# Altium PCB SupBigBrrg_0.PcbDoc (part 13 of 29)
Units mm, origin at the board's own origin, x right, y up, seen from the top; angles counter-clockwise.
Board outline 400 x 344 mm, 6 copper layers (TopLayer, PlaneGnd, PlanePwr, MidLayer3, MidLayer4, BottomLayer); 1288 components, 1323 nets, 5024 pads, 1078 vias.
Unrouted connection lines stored in the file: 1824.
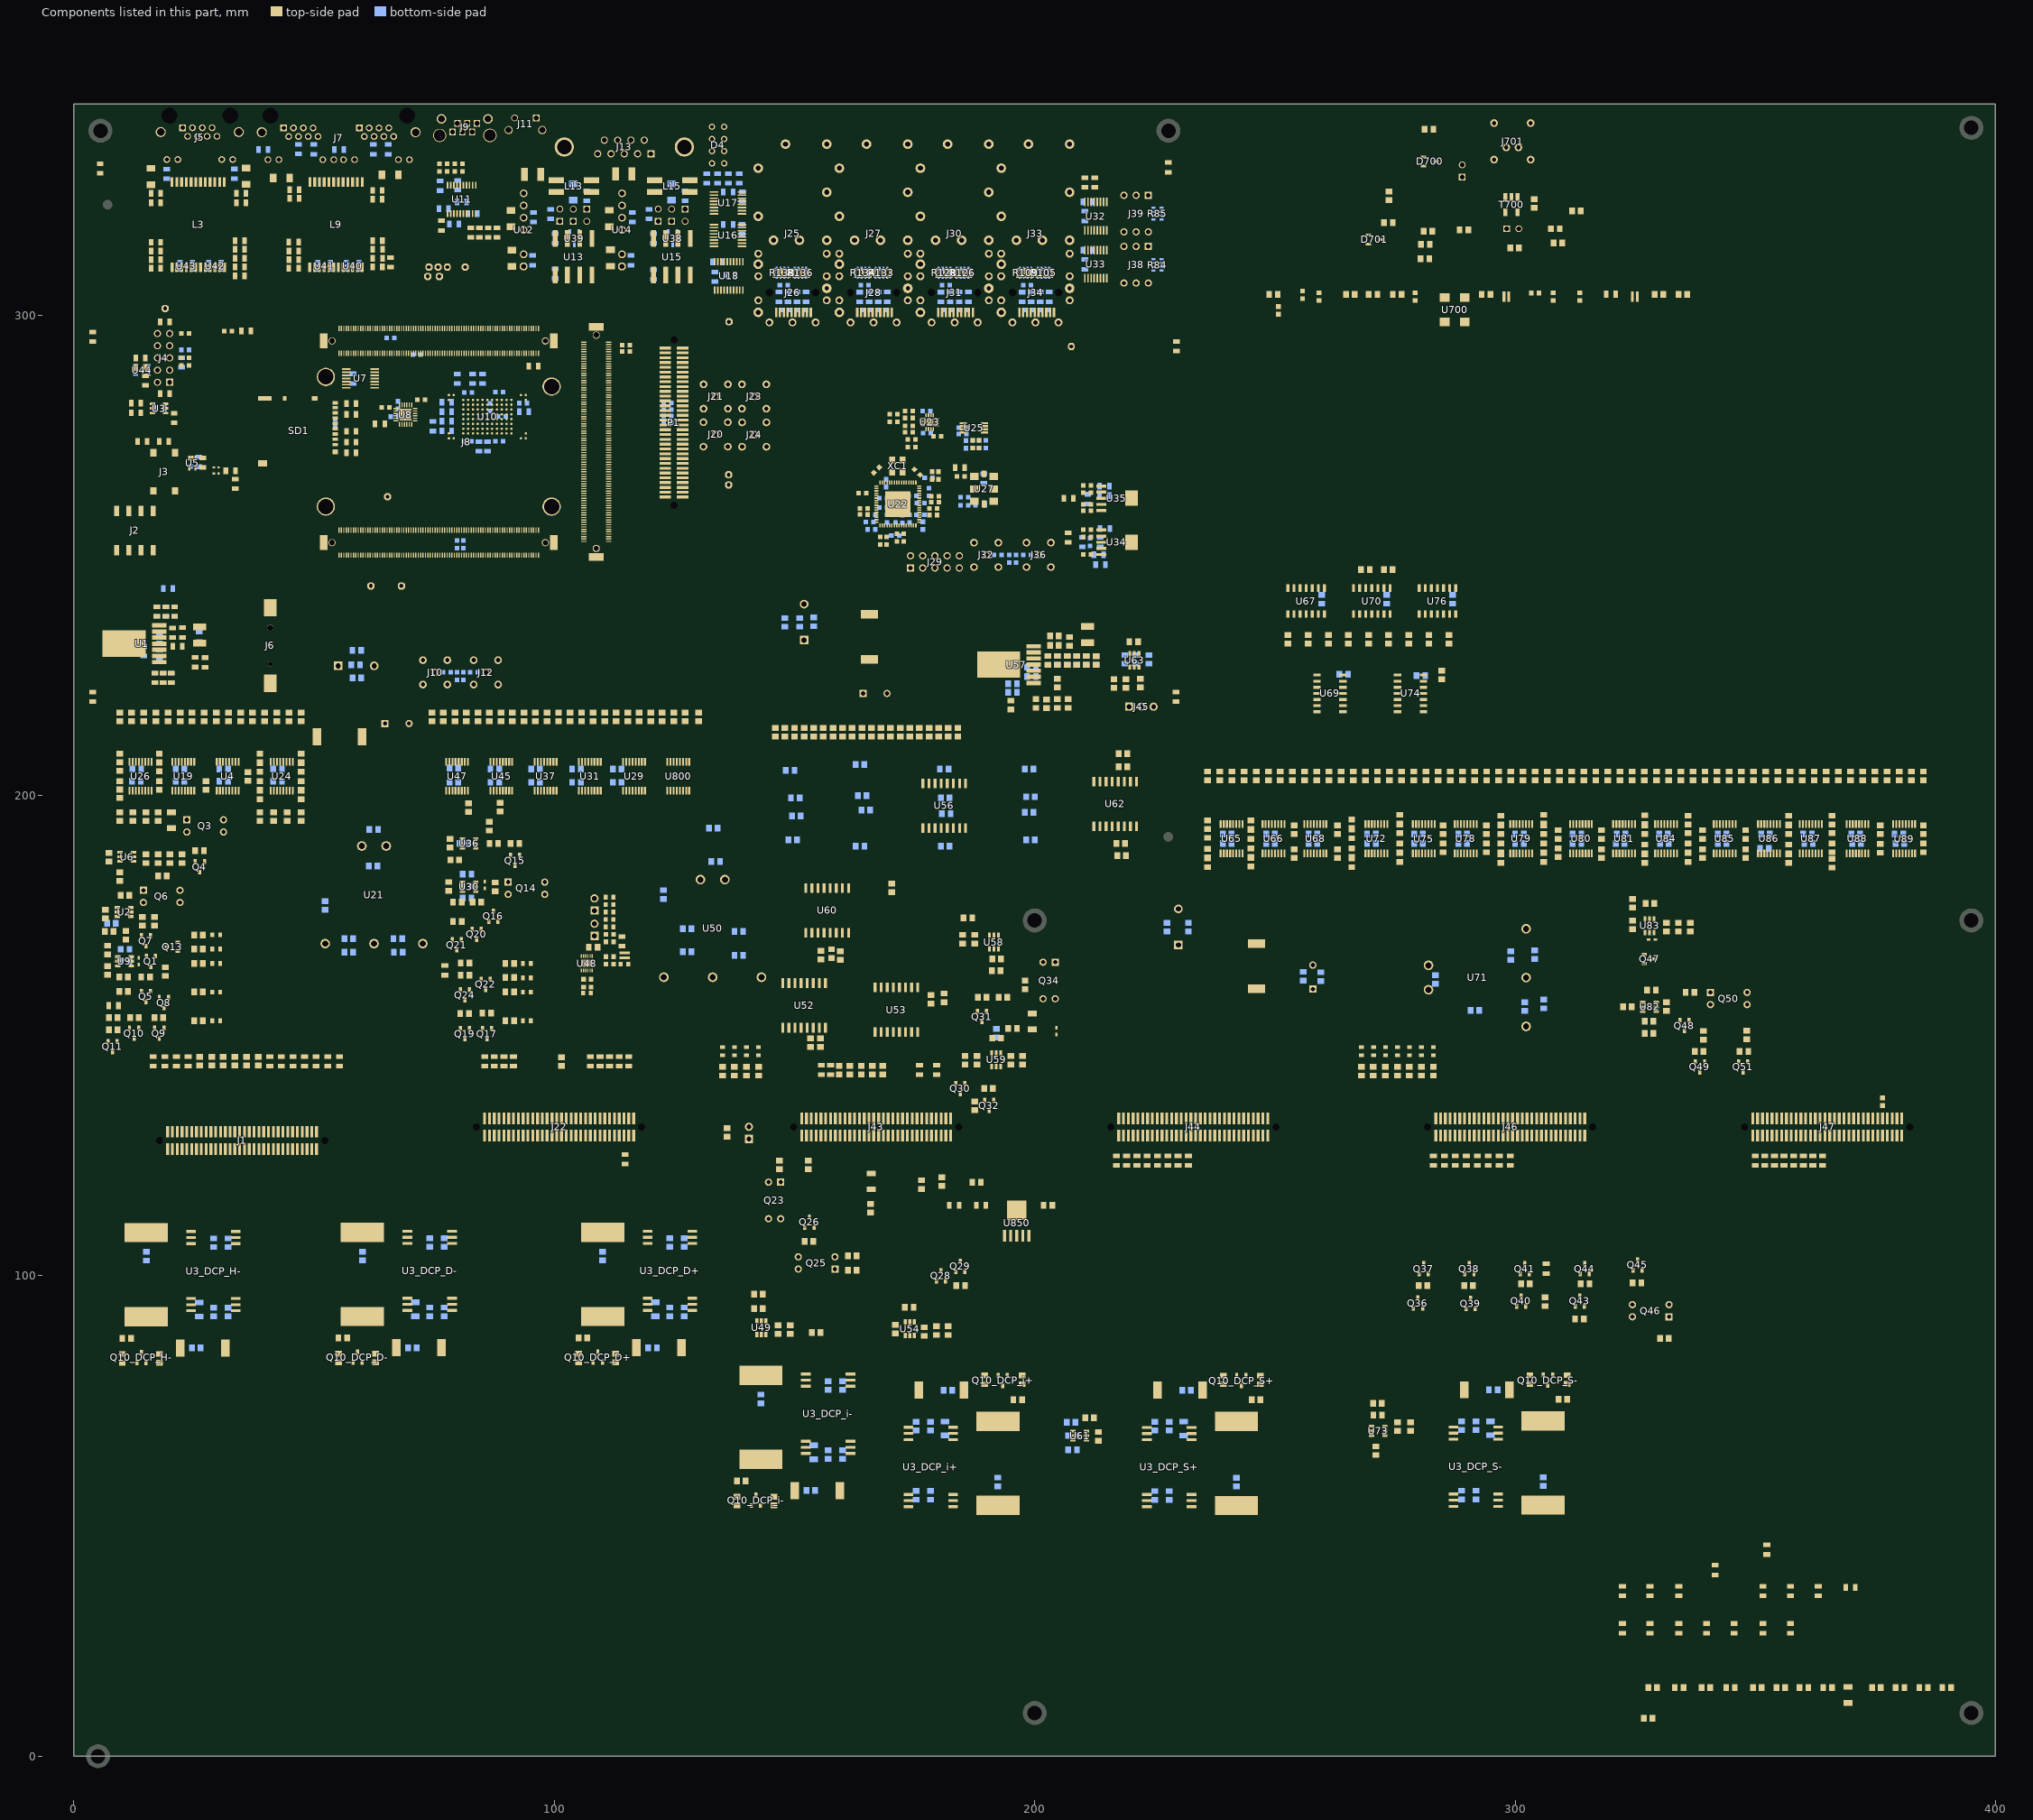
[diagram p17: the components of this part, seen from the top]

## Design rules (kind name [scope] priority, off if disabled: settings) (continued)
DiffPairsRouting "Schematic Differential Pairs Routing_935" [InNet('ETH0_D_N')] p1063: maxlimit=0.5 minlimit=0.075 mostfreqgap=0.254 toplayer_prefgap=0.175 toplayer_minwidth=0.075 toplayer_maxwidth=0.5 toplayer_prefwidth=0.25 midlayer3_maxgap=0.254 midlayer3_minwidth=0.075 midlayer3_maxwidth=0.5 midlayer3_prefwidth=0.25 midlayer4_maxgap=0.254 midlayer4_minwidth=0.075 midlayer4_maxwidth=0.5 midlayer4_prefwidth=0.25 bottomlayer_prefgap=0.175 bottomlayer_minwidth=0.075 bottomlayer_maxwidth=0.5 bottomlayer_prefwidth=0.25 maxuncoupledlength=12.7
DiffPairsRouting "Schematic Differential Pairs Routing_895" [InNet('ETH0_D_P')] p1064: maxlimit=0.5 minlimit=0.075 mostfreqgap=0.254 toplayer_prefgap=0.175 toplayer_minwidth=0.075 toplayer_maxwidth=0.5 toplayer_prefwidth=0.25 midlayer3_maxgap=0.254 midlayer3_minwidth=0.075 midlayer3_maxwidth=0.5 midlayer3_prefwidth=0.25 midlayer4_maxgap=0.254 midlayer4_minwidth=0.075 midlayer4_maxwidth=0.5 midlayer4_prefwidth=0.25 bottomlayer_prefgap=0.175 bottomlayer_minwidth=0.075 bottomlayer_maxwidth=0.5 bottomlayer_prefwidth=0.25 maxuncoupledlength=12.7
DiffPairsRouting "Schematic Differential Pairs Routing_880" [InNet('ETH1A_TX_P')] p1065: maxlimit=0.5 minlimit=0.075 mostfreqgap=0.254 toplayer_prefgap=0.175 toplayer_minwidth=0.075 toplayer_maxwidth=0.5 toplayer_prefwidth=0.25 midlayer3_maxgap=0.254 midlayer3_minwidth=0.075 midlayer3_maxwidth=0.5 midlayer3_prefwidth=0.25 midlayer4_maxgap=0.254 midlayer4_minwidth=0.075 midlayer4_maxwidth=0.5 midlayer4_prefwidth=0.25 bottomlayer_prefgap=0.175 bottomlayer_minwidth=0.075 bottomlayer_maxwidth=0.5 bottomlayer_prefwidth=0.25 maxuncoupledlength=12.7
DiffPairsRouting "Schematic Differential Pairs Routing_783" [InNet('ETH1A_RX_N')] p1066: maxlimit=0.5 minlimit=0.075 mostfreqgap=0.254 toplayer_prefgap=0.175 toplayer_minwidth=0.075 toplayer_maxwidth=0.5 toplayer_prefwidth=0.25 midlayer3_maxgap=0.254 midlayer3_minwidth=0.075 midlayer3_maxwidth=0.5 midlayer3_prefwidth=0.25 midlayer4_maxgap=0.254 midlayer4_minwidth=0.075 midlayer4_maxwidth=0.5 midlayer4_prefwidth=0.25 bottomlayer_prefgap=0.175 bottomlayer_minwidth=0.075 bottomlayer_maxwidth=0.5 bottomlayer_prefwidth=0.25 maxuncoupledlength=12.7
DiffPairsRouting "Schematic Differential Pairs Routing_702" [InNet('ETH1A_RX_P')] p1067: maxlimit=0.5 minlimit=0.075 mostfreqgap=0.254 toplayer_prefgap=0.175 toplayer_minwidth=0.075 toplayer_maxwidth=0.5 toplayer_prefwidth=0.25 midlayer3_maxgap=0.254 midlayer3_minwidth=0.075 midlayer3_maxwidth=0.5 midlayer3_prefwidth=0.25 midlayer4_maxgap=0.254 midlayer4_minwidth=0.075 midlayer4_maxwidth=0.5 midlayer4_prefwidth=0.25 bottomlayer_prefgap=0.175 bottomlayer_minwidth=0.075 bottomlayer_maxwidth=0.5 bottomlayer_prefwidth=0.25 maxuncoupledlength=12.7
DiffPairsRouting "Schematic Differential Pairs Routing_697" [InNet('ETH1B_TX_N')] p1068: maxlimit=0.5 minlimit=0.075 mostfreqgap=0.254 toplayer_prefgap=0.175 toplayer_minwidth=0.075 toplayer_maxwidth=0.5 toplayer_prefwidth=0.25 midlayer3_maxgap=0.254 midlayer3_minwidth=0.075 midlayer3_maxwidth=0.5 midlayer3_prefwidth=0.25 midlayer4_maxgap=0.254 midlayer4_minwidth=0.075 midlayer4_maxwidth=0.5 midlayer4_prefwidth=0.25 bottomlayer_prefgap=0.175 bottomlayer_minwidth=0.075 bottomlayer_maxwidth=0.5 bottomlayer_prefwidth=0.25 maxuncoupledlength=12.7
DiffPairsRouting "Schematic Differential Pairs Routing_234" [InNet('SFP_TX_2.IO_P')] p1069: maxlimit=0.5 minlimit=0.075 mostfreqgap=0.254 toplayer_prefgap=0.175 toplayer_minwidth=0.075 toplayer_maxwidth=0.5 toplayer_prefwidth=0.25 midlayer3_maxgap=0.254 midlayer3_minwidth=0.075 midlayer3_maxwidth=0.5 midlayer3_prefwidth=0.25 midlayer4_maxgap=0.254 midlayer4_minwidth=0.075 midlayer4_maxwidth=0.5 midlayer4_prefwidth=0.25 bottomlayer_prefgap=0.175 bottomlayer_minwidth=0.075 bottomlayer_maxwidth=0.5 bottomlayer_prefwidth=0.25 maxuncoupledlength=12.7
DiffPairsRouting "Schematic Differential Pairs Routing_185" [InNet('SFP_TX_3.IO_N')] p1070: maxlimit=0.5 minlimit=0.075 mostfreqgap=0.254 toplayer_prefgap=0.175 toplayer_minwidth=0.075 toplayer_maxwidth=0.5 toplayer_prefwidth=0.25 midlayer3_maxgap=0.254 midlayer3_minwidth=0.075 midlayer3_maxwidth=0.5 midlayer3_prefwidth=0.25 midlayer4_maxgap=0.254 midlayer4_minwidth=0.075 midlayer4_maxwidth=0.5 midlayer4_prefwidth=0.25 bottomlayer_prefgap=0.175 bottomlayer_minwidth=0.075 bottomlayer_maxwidth=0.5 bottomlayer_prefwidth=0.25 maxuncoupledlength=12.7
DiffPairsRouting "Schematic Differential Pairs Routing_116" [InNet('SFP_TX_3.IO_P')] p1071: maxlimit=0.5 minlimit=0.075 mostfreqgap=0.254 toplayer_prefgap=0.175 toplayer_minwidth=0.075 toplayer_maxwidth=0.5 toplayer_prefwidth=0.25 midlayer3_maxgap=0.254 midlayer3_minwidth=0.075 midlayer3_maxwidth=0.5 midlayer3_prefwidth=0.25 midlayer4_maxgap=0.254 midlayer4_minwidth=0.075 midlayer4_maxwidth=0.5 midlayer4_prefwidth=0.25 bottomlayer_prefgap=0.175 bottomlayer_minwidth=0.075 bottomlayer_maxwidth=0.5 bottomlayer_prefwidth=0.25 maxuncoupledlength=12.7
DiffPairsRouting "Schematic Differential Pairs Routing_954" [InNet('ETH0_A_P')] p1072: maxlimit=0.5 minlimit=0.075 mostfreqgap=0.254 toplayer_prefgap=0.175 toplayer_minwidth=0.075 toplayer_maxwidth=0.5 toplayer_prefwidth=0.25 midlayer3_maxgap=0.254 midlayer3_minwidth=0.075 midlayer3_maxwidth=0.5 midlayer3_prefwidth=0.25 midlayer4_maxgap=0.254 midlayer4_minwidth=0.075 midlayer4_maxwidth=0.5 midlayer4_prefwidth=0.25 bottomlayer_prefgap=0.175 bottomlayer_minwidth=0.075 bottomlayer_maxwidth=0.5 bottomlayer_prefwidth=0.25 maxuncoupledlength=12.7
DiffPairsRouting "Schematic Differential Pairs Routing_953" [InNet('ETH0_B_N')] p1073: maxlimit=0.5 minlimit=0.075 mostfreqgap=0.254 toplayer_prefgap=0.175 toplayer_minwidth=0.075 toplayer_maxwidth=0.5 toplayer_prefwidth=0.25 midlayer3_maxgap=0.254 midlayer3_minwidth=0.075 midlayer3_maxwidth=0.5 midlayer3_prefwidth=0.25 midlayer4_maxgap=0.254 midlayer4_minwidth=0.075 midlayer4_maxwidth=0.5 midlayer4_prefwidth=0.25 bottomlayer_prefgap=0.175 bottomlayer_minwidth=0.075 bottomlayer_maxwidth=0.5 bottomlayer_prefwidth=0.25 maxuncoupledlength=12.7
DiffPairsRouting "Schematic Differential Pairs Routing_952" [InNet('ETH0_B_P')] p1074: maxlimit=0.5 minlimit=0.075 mostfreqgap=0.254 toplayer_prefgap=0.175 toplayer_minwidth=0.075 toplayer_maxwidth=0.5 toplayer_prefwidth=0.25 midlayer3_maxgap=0.254 midlayer3_minwidth=0.075 midlayer3_maxwidth=0.5 midlayer3_prefwidth=0.25 midlayer4_maxgap=0.254 midlayer4_minwidth=0.075 midlayer4_maxwidth=0.5 midlayer4_prefwidth=0.25 bottomlayer_prefgap=0.175 bottomlayer_minwidth=0.075 bottomlayer_maxwidth=0.5 bottomlayer_prefwidth=0.25 maxuncoupledlength=12.7
DiffPairsRouting "Schematic Differential Pairs Routing_951" [InNet('ETH0_C_N')] p1075: maxlimit=0.5 minlimit=0.075 mostfreqgap=0.254 toplayer_prefgap=0.175 toplayer_minwidth=0.075 toplayer_maxwidth=0.5 toplayer_prefwidth=0.25 midlayer3_maxgap=0.254 midlayer3_minwidth=0.075 midlayer3_maxwidth=0.5 midlayer3_prefwidth=0.25 midlayer4_maxgap=0.254 midlayer4_minwidth=0.075 midlayer4_maxwidth=0.5 midlayer4_prefwidth=0.25 bottomlayer_prefgap=0.175 bottomlayer_minwidth=0.075 bottomlayer_maxwidth=0.5 bottomlayer_prefwidth=0.25 maxuncoupledlength=12.7
DiffPairsRouting "Schematic Differential Pairs Routing_950" [InNet('ETH0_D_N')] p1076: maxlimit=0.5 minlimit=0.075 mostfreqgap=0.254 toplayer_prefgap=0.175 toplayer_minwidth=0.075 toplayer_maxwidth=0.5 toplayer_prefwidth=0.25 midlayer3_maxgap=0.254 midlayer3_minwidth=0.075 midlayer3_maxwidth=0.5 midlayer3_prefwidth=0.25 midlayer4_maxgap=0.254 midlayer4_minwidth=0.075 midlayer4_maxwidth=0.5 midlayer4_prefwidth=0.25 bottomlayer_prefgap=0.175 bottomlayer_minwidth=0.075 bottomlayer_maxwidth=0.5 bottomlayer_prefwidth=0.25 maxuncoupledlength=12.7
DiffPairsRouting "Schematic Differential Pairs Routing_949" [InNet('ETH0_D_P')] p1077: maxlimit=0.5 minlimit=0.075 mostfreqgap=0.254 toplayer_prefgap=0.175 toplayer_minwidth=0.075 toplayer_maxwidth=0.5 toplayer_prefwidth=0.25 midlayer3_maxgap=0.254 midlayer3_minwidth=0.075 midlayer3_maxwidth=0.5 midlayer3_prefwidth=0.25 midlayer4_maxgap=0.254 midlayer4_minwidth=0.075 midlayer4_maxwidth=0.5 midlayer4_prefwidth=0.25 bottomlayer_prefgap=0.175 bottomlayer_minwidth=0.075 bottomlayer_maxwidth=0.5 bottomlayer_prefwidth=0.25 maxuncoupledlength=12.7
DiffPairsRouting "Schematic Differential Pairs Routing_947" [InNet('ETH1A_TX_P')] p1078: maxlimit=0.5 minlimit=0.075 mostfreqgap=0.254 toplayer_prefgap=0.175 toplayer_minwidth=0.075 toplayer_maxwidth=0.5 toplayer_prefwidth=0.25 midlayer3_maxgap=0.254 midlayer3_minwidth=0.075 midlayer3_maxwidth=0.5 midlayer3_prefwidth=0.25 midlayer4_maxgap=0.254 midlayer4_minwidth=0.075 midlayer4_maxwidth=0.5 midlayer4_prefwidth=0.25 bottomlayer_prefgap=0.175 bottomlayer_minwidth=0.075 bottomlayer_maxwidth=0.5 bottomlayer_prefwidth=0.25 maxuncoupledlength=12.7
DiffPairsRouting "Schematic Differential Pairs Routing_946" [InNet('ETH1A_RX_N')] p1079: maxlimit=0.5 minlimit=0.075 mostfreqgap=0.254 toplayer_prefgap=0.175 toplayer_minwidth=0.075 toplayer_maxwidth=0.5 toplayer_prefwidth=0.25 midlayer3_maxgap=0.254 midlayer3_minwidth=0.075 midlayer3_maxwidth=0.5 midlayer3_prefwidth=0.25 midlayer4_maxgap=0.254 midlayer4_minwidth=0.075 midlayer4_maxwidth=0.5 midlayer4_prefwidth=0.25 bottomlayer_prefgap=0.175 bottomlayer_minwidth=0.075 bottomlayer_maxwidth=0.5 bottomlayer_prefwidth=0.25 maxuncoupledlength=12.7
DiffPairsRouting "Schematic Differential Pairs Routing_945" [InNet('ETH1A_RX_P')] p1080: maxlimit=0.5 minlimit=0.075 mostfreqgap=0.254 toplayer_prefgap=0.175 toplayer_minwidth=0.075 toplayer_maxwidth=0.5 toplayer_prefwidth=0.25 midlayer3_maxgap=0.254 midlayer3_minwidth=0.075 midlayer3_maxwidth=0.5 midlayer3_prefwidth=0.25 midlayer4_maxgap=0.254 midlayer4_minwidth=0.075 midlayer4_maxwidth=0.5 midlayer4_prefwidth=0.25 bottomlayer_prefgap=0.175 bottomlayer_minwidth=0.075 bottomlayer_maxwidth=0.5 bottomlayer_prefwidth=0.25 maxuncoupledlength=12.7
DiffPairsRouting "Schematic Differential Pairs Routing_944" [InNet('ETH1B_TX_N')] p1081: maxlimit=0.5 minlimit=0.075 mostfreqgap=0.254 toplayer_prefgap=0.175 toplayer_minwidth=0.075 toplayer_maxwidth=0.5 toplayer_prefwidth=0.25 midlayer3_maxgap=0.254 midlayer3_minwidth=0.075 midlayer3_maxwidth=0.5 midlayer3_prefwidth=0.25 midlayer4_maxgap=0.254 midlayer4_minwidth=0.075 midlayer4_maxwidth=0.5 midlayer4_prefwidth=0.25 bottomlayer_prefgap=0.175 bottomlayer_minwidth=0.075 bottomlayer_maxwidth=0.5 bottomlayer_prefwidth=0.25 maxuncoupledlength=12.7
DiffPairsRouting "Schematic Differential Pairs Routing_941" [InNet('SFP_RX_1.IO_N')] p1082: maxlimit=0.5 minlimit=0.075 mostfreqgap=0.254 toplayer_prefgap=0.175 toplayer_minwidth=0.075 toplayer_maxwidth=0.5 toplayer_prefwidth=0.25 midlayer3_maxgap=0.254 midlayer3_minwidth=0.075 midlayer3_maxwidth=0.5 midlayer3_prefwidth=0.25 midlayer4_maxgap=0.254 midlayer4_minwidth=0.075 midlayer4_maxwidth=0.5 midlayer4_prefwidth=0.25 bottomlayer_prefgap=0.175 bottomlayer_minwidth=0.075 bottomlayer_maxwidth=0.5 bottomlayer_prefwidth=0.25 maxuncoupledlength=12.7
DiffPairsRouting "Schematic Differential Pairs Routing_940" [InNet('SFP_RX_2.IO_P')] p1083: maxlimit=0.5 minlimit=0.075 mostfreqgap=0.254 toplayer_prefgap=0.175 toplayer_minwidth=0.075 toplayer_maxwidth=0.5 toplayer_prefwidth=0.25 midlayer3_maxgap=0.254 midlayer3_minwidth=0.075 midlayer3_maxwidth=0.5 midlayer3_prefwidth=0.25 midlayer4_maxgap=0.254 midlayer4_minwidth=0.075 midlayer4_maxwidth=0.5 midlayer4_prefwidth=0.25 bottomlayer_prefgap=0.175 bottomlayer_minwidth=0.075 bottomlayer_maxwidth=0.5 bottomlayer_prefwidth=0.25 maxuncoupledlength=12.7
DiffPairsRouting "Schematic Differential Pairs Routing_939" [InNet('SFP_RX_3.IO_N')] p1084: maxlimit=0.5 minlimit=0.075 mostfreqgap=0.254 toplayer_prefgap=0.175 toplayer_minwidth=0.075 toplayer_maxwidth=0.5 toplayer_prefwidth=0.25 midlayer3_maxgap=0.254 midlayer3_minwidth=0.075 midlayer3_maxwidth=0.5 midlayer3_prefwidth=0.25 midlayer4_maxgap=0.254 midlayer4_minwidth=0.075 midlayer4_maxwidth=0.5 midlayer4_prefwidth=0.25 bottomlayer_prefgap=0.175 bottomlayer_minwidth=0.075 bottomlayer_maxwidth=0.5 bottomlayer_prefwidth=0.25 maxuncoupledlength=12.7
DiffPairsRouting "Schematic Differential Pairs Routing_938" [InNet('SFP_RX_3.IO_P')] p1085: maxlimit=0.5 minlimit=0.075 mostfreqgap=0.254 toplayer_prefgap=0.175 toplayer_minwidth=0.075 toplayer_maxwidth=0.5 toplayer_prefwidth=0.25 midlayer3_maxgap=0.254 midlayer3_minwidth=0.075 midlayer3_maxwidth=0.5 midlayer3_prefwidth=0.25 midlayer4_maxgap=0.254 midlayer4_minwidth=0.075 midlayer4_maxwidth=0.5 midlayer4_prefwidth=0.25 bottomlayer_prefgap=0.175 bottomlayer_minwidth=0.075 bottomlayer_maxwidth=0.5 bottomlayer_prefwidth=0.25 maxuncoupledlength=12.7
DiffPairsRouting "Schematic Differential Pairs Routing_894" [InNet('SFP_TX_2.IO_N')] p1086: maxlimit=0.5 minlimit=0.075 mostfreqgap=0.254 toplayer_prefgap=0.175 toplayer_minwidth=0.075 toplayer_maxwidth=0.5 toplayer_prefwidth=0.25 midlayer3_maxgap=0.254 midlayer3_minwidth=0.075 midlayer3_maxwidth=0.5 midlayer3_prefwidth=0.25 midlayer4_maxgap=0.254 midlayer4_minwidth=0.075 midlayer4_maxwidth=0.5 midlayer4_prefwidth=0.25 bottomlayer_prefgap=0.175 bottomlayer_minwidth=0.075 bottomlayer_maxwidth=0.5 bottomlayer_prefwidth=0.25 maxuncoupledlength=12.7
DiffPairsRouting "Schematic Differential Pairs Routing_892" [InNet('SFP_TX_2.IO_P')] p1087: maxlimit=0.5 minlimit=0.075 mostfreqgap=0.254 toplayer_prefgap=0.175 toplayer_minwidth=0.075 toplayer_maxwidth=0.5 toplayer_prefwidth=0.25 midlayer3_maxgap=0.254 midlayer3_minwidth=0.075 midlayer3_maxwidth=0.5 midlayer3_prefwidth=0.25 midlayer4_maxgap=0.254 midlayer4_minwidth=0.075 midlayer4_maxwidth=0.5 midlayer4_prefwidth=0.25 bottomlayer_prefgap=0.175 bottomlayer_minwidth=0.075 bottomlayer_maxwidth=0.5 bottomlayer_prefwidth=0.25 maxuncoupledlength=12.7
DiffPairsRouting "Schematic Differential Pairs Routing_863" [InNet('SFP_TX_3.IO_N')] p1088: maxlimit=0.5 minlimit=0.075 mostfreqgap=0.254 toplayer_prefgap=0.175 toplayer_minwidth=0.075 toplayer_maxwidth=0.5 toplayer_prefwidth=0.25 midlayer3_maxgap=0.254 midlayer3_minwidth=0.075 midlayer3_maxwidth=0.5 midlayer3_prefwidth=0.25 midlayer4_maxgap=0.254 midlayer4_minwidth=0.075 midlayer4_maxwidth=0.5 midlayer4_prefwidth=0.25 bottomlayer_prefgap=0.175 bottomlayer_minwidth=0.075 bottomlayer_maxwidth=0.5 bottomlayer_prefwidth=0.25 maxuncoupledlength=12.7
DiffPairsRouting "Schematic Differential Pairs Routing_722" [InNet('SFP_TX_3.IO_P')] p1089: maxlimit=0.5 minlimit=0.075 mostfreqgap=0.254 toplayer_prefgap=0.175 toplayer_minwidth=0.075 toplayer_maxwidth=0.5 toplayer_prefwidth=0.25 midlayer3_maxgap=0.254 midlayer3_minwidth=0.075 midlayer3_maxwidth=0.5 midlayer3_prefwidth=0.25 midlayer4_maxgap=0.254 midlayer4_minwidth=0.075 midlayer4_maxwidth=0.5 midlayer4_prefwidth=0.25 bottomlayer_prefgap=0.175 bottomlayer_minwidth=0.075 bottomlayer_maxwidth=0.5 bottomlayer_prefwidth=0.25 maxuncoupledlength=12.7
DiffPairsRouting "Schematic Differential Pairs Routing_936" [InNet('DDS_CLK_N')] p1090: maxlimit=0.5 minlimit=0.075 mostfreqgap=0.175 toplayer_minwidth=0.075 toplayer_maxwidth=0.5 toplayer_prefwidth=0.25 midlayer3_maxgap=0.254 midlayer3_prefgap=0.15 midlayer3_minwidth=0.075 midlayer3_maxwidth=0.5 midlayer3_prefwidth=0.175 midlayer4_maxgap=0.254 midlayer4_prefgap=0.15 midlayer4_minwidth=0.075 midlayer4_maxwidth=0.5 midlayer4_prefwidth=0.175 bottomlayer_minwidth=0.075 bottomlayer_maxwidth=0.5 bottomlayer_prefwidth=0.25 maxuncoupledlength=12.7
DiffPairsRouting "Schematic Differential Pairs Routing_934" [InNet('DDS_CLK_P')] p1091: maxlimit=0.5 minlimit=0.075 mostfreqgap=0.175 toplayer_minwidth=0.075 toplayer_maxwidth=0.5 toplayer_prefwidth=0.25 midlayer3_maxgap=0.254 midlayer3_prefgap=0.15 midlayer3_minwidth=0.075 midlayer3_maxwidth=0.5 midlayer3_prefwidth=0.175 midlayer4_maxgap=0.254 midlayer4_prefgap=0.15 midlayer4_minwidth=0.075 midlayer4_maxwidth=0.5 midlayer4_prefwidth=0.175 bottomlayer_minwidth=0.075 bottomlayer_maxwidth=0.5 bottomlayer_prefwidth=0.25 maxuncoupledlength=12.7
DiffPairsRouting "Schematic Differential Pairs Routing_933" [InNet('ETH0_B_N')] p1092: maxlimit=0.5 minlimit=0.075 mostfreqgap=0.254 toplayer_prefgap=0.175 toplayer_minwidth=0.075 toplayer_maxwidth=0.5 toplayer_prefwidth=0.25 midlayer3_maxgap=0.254 midlayer3_minwidth=0.075 midlayer3_maxwidth=0.5 midlayer3_prefwidth=0.25 midlayer4_maxgap=0.254 midlayer4_minwidth=0.075 midlayer4_maxwidth=0.5 midlayer4_prefwidth=0.25 bottomlayer_prefgap=0.175 bottomlayer_minwidth=0.075 bottomlayer_maxwidth=0.5 bottomlayer_prefwidth=0.25 maxuncoupledlength=12.7
DiffPairsRouting "Schematic Differential Pairs Routing_932" [InNet('ETH0_C_N')] p1093: maxlimit=0.5 minlimit=0.075 mostfreqgap=0.254 toplayer_prefgap=0.175 toplayer_minwidth=0.075 toplayer_maxwidth=0.5 toplayer_prefwidth=0.25 midlayer3_maxgap=0.254 midlayer3_minwidth=0.075 midlayer3_maxwidth=0.5 midlayer3_prefwidth=0.25 midlayer4_maxgap=0.254 midlayer4_minwidth=0.075 midlayer4_maxwidth=0.5 midlayer4_prefwidth=0.25 bottomlayer_prefgap=0.175 bottomlayer_minwidth=0.075 bottomlayer_maxwidth=0.5 bottomlayer_prefwidth=0.25 maxuncoupledlength=12.7
DiffPairsRouting "Schematic Differential Pairs Routing_931" [InNet('ETH0_C_P')] p1094: maxlimit=0.5 minlimit=0.075 mostfreqgap=0.254 toplayer_prefgap=0.175 toplayer_minwidth=0.075 toplayer_maxwidth=0.5 toplayer_prefwidth=0.25 midlayer3_maxgap=0.254 midlayer3_minwidth=0.075 midlayer3_maxwidth=0.5 midlayer3_prefwidth=0.25 midlayer4_maxgap=0.254 midlayer4_minwidth=0.075 midlayer4_maxwidth=0.5 midlayer4_prefwidth=0.25 bottomlayer_prefgap=0.175 bottomlayer_minwidth=0.075 bottomlayer_maxwidth=0.5 bottomlayer_prefwidth=0.25 maxuncoupledlength=12.7
DiffPairsRouting "Schematic Differential Pairs Routing_929" [InNet('ETH0_D_N')] p1095: maxlimit=0.5 minlimit=0.075 mostfreqgap=0.254 toplayer_prefgap=0.175 toplayer_minwidth=0.075 toplayer_maxwidth=0.5 toplayer_prefwidth=0.25 midlayer3_maxgap=0.254 midlayer3_minwidth=0.075 midlayer3_maxwidth=0.5 midlayer3_prefwidth=0.25 midlayer4_maxgap=0.254 midlayer4_minwidth=0.075 midlayer4_maxwidth=0.5 midlayer4_prefwidth=0.25 bottomlayer_prefgap=0.175 bottomlayer_minwidth=0.075 bottomlayer_maxwidth=0.5 bottomlayer_prefwidth=0.25 maxuncoupledlength=12.7
DiffPairsRouting "Schematic Differential Pairs Routing_928" [InNet('ETH0_D_P')] p1096: maxlimit=0.5 minlimit=0.075 mostfreqgap=0.254 toplayer_prefgap=0.175 toplayer_minwidth=0.075 toplayer_maxwidth=0.5 toplayer_prefwidth=0.25 midlayer3_maxgap=0.254 midlayer3_minwidth=0.075 midlayer3_maxwidth=0.5 midlayer3_prefwidth=0.25 midlayer4_maxgap=0.254 midlayer4_minwidth=0.075 midlayer4_maxwidth=0.5 midlayer4_prefwidth=0.25 bottomlayer_prefgap=0.175 bottomlayer_minwidth=0.075 bottomlayer_maxwidth=0.5 bottomlayer_prefwidth=0.25 maxuncoupledlength=12.7
DiffPairsRouting "Schematic Differential Pairs Routing_927" [InNet('ETH1B_RX_N')] p1097: maxlimit=0.5 minlimit=0.075 mostfreqgap=0.254 toplayer_prefgap=0.175 toplayer_minwidth=0.075 toplayer_maxwidth=0.5 toplayer_prefwidth=0.25 midlayer3_maxgap=0.254 midlayer3_minwidth=0.075 midlayer3_maxwidth=0.5 midlayer3_prefwidth=0.25 midlayer4_maxgap=0.254 midlayer4_minwidth=0.075 midlayer4_maxwidth=0.5 midlayer4_prefwidth=0.25 bottomlayer_prefgap=0.175 bottomlayer_minwidth=0.075 bottomlayer_maxwidth=0.5 bottomlayer_prefwidth=0.25 maxuncoupledlength=12.7
DiffPairsRouting "Schematic Differential Pairs Routing_926" [InNet('ETH1B_TX_N')] p1098: maxlimit=0.5 minlimit=0.075 mostfreqgap=0.254 toplayer_prefgap=0.175 toplayer_minwidth=0.075 toplayer_maxwidth=0.5 toplayer_prefwidth=0.25 midlayer3_maxgap=0.254 midlayer3_minwidth=0.075 midlayer3_maxwidth=0.5 midlayer3_prefwidth=0.25 midlayer4_maxgap=0.254 midlayer4_minwidth=0.075 midlayer4_maxwidth=0.5 midlayer4_prefwidth=0.25 bottomlayer_prefgap=0.175 bottomlayer_minwidth=0.075 bottomlayer_maxwidth=0.5 bottomlayer_prefwidth=0.25 maxuncoupledlength=12.7
DiffPairsRouting "Schematic Differential Pairs Routing_925" [InNet('ETH1B_TX_P')] p1099: maxlimit=0.5 minlimit=0.075 mostfreqgap=0.254 toplayer_prefgap=0.175 toplayer_minwidth=0.075 toplayer_maxwidth=0.5 toplayer_prefwidth=0.25 midlayer3_maxgap=0.254 midlayer3_minwidth=0.075 midlayer3_maxwidth=0.5 midlayer3_prefwidth=0.25 midlayer4_maxgap=0.254 midlayer4_minwidth=0.075 midlayer4_maxwidth=0.5 midlayer4_prefwidth=0.25 bottomlayer_prefgap=0.175 bottomlayer_minwidth=0.075 bottomlayer_maxwidth=0.5 bottomlayer_prefwidth=0.25 maxuncoupledlength=12.7
DiffPairsRouting "Schematic Differential Pairs Routing_924" [InNet('SFP_RX_2.IO_N')] p1100: maxlimit=0.5 minlimit=0.075 mostfreqgap=0.254 toplayer_prefgap=0.175 toplayer_minwidth=0.075 toplayer_maxwidth=0.5 toplayer_prefwidth=0.25 midlayer3_maxgap=0.254 midlayer3_minwidth=0.075 midlayer3_maxwidth=0.5 midlayer3_prefwidth=0.25 midlayer4_maxgap=0.254 midlayer4_minwidth=0.075 midlayer4_maxwidth=0.5 midlayer4_prefwidth=0.25 bottomlayer_prefgap=0.175 bottomlayer_minwidth=0.075 bottomlayer_maxwidth=0.5 bottomlayer_prefwidth=0.25 maxuncoupledlength=12.7